# Altium PCB AUAV_X05.PcbDoc (part 2 of 5) (continued)
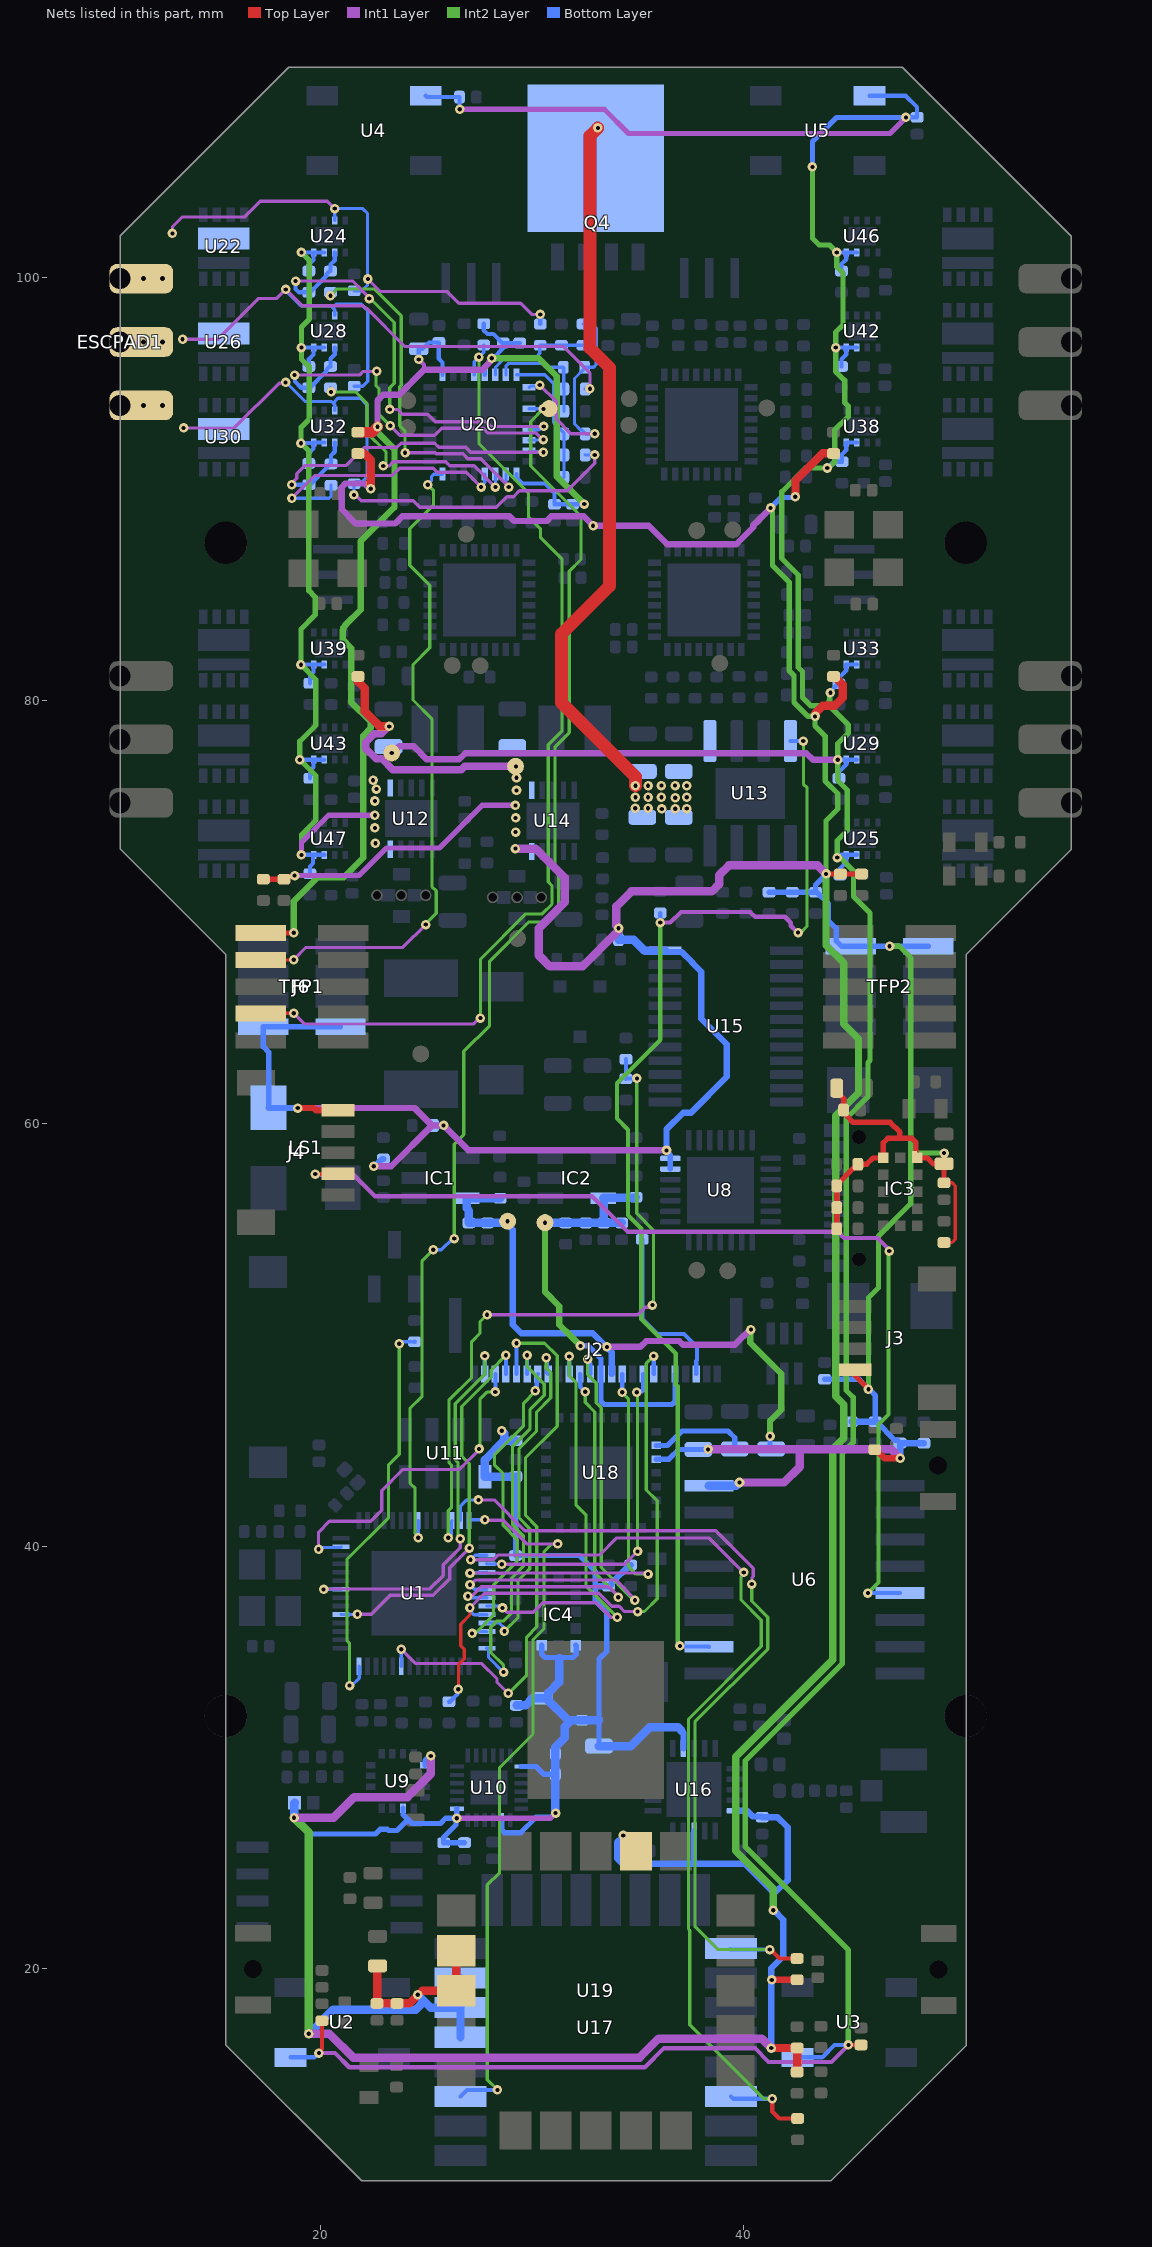
[diagram p4: the nets of this part, all layers, seen from the top]
## Nets (pads, with @x,y where several pads share a name; then routed paths per layer and width w, separated by ;. In a path a pad name is that pad's centre, name@x,y a point inside that pad or via, vN(x,y) a via of type N, cw(c..) or ccw(c..) an arc to the next point about the centre after c; other vN are vias at no path point) (continued)
  Int2 Layer w0.35: v1(41.425,22.775) 41.425,23.8 39.65,25.575 39.65,30.04 44.227,34.617 44.227,44.577 44.75,45.1 44.75,46.7 44.373,47.077 44.373,60.373 45.455,61.455 45.455,63.995 44.75,64.7 44.75,67.6 43.918,68.432 v1(43.918,71.8)
  Int2 Layer w0.4: v1(18.75,27.15) 19.45,26.45 v1(19.45,16.925)
  Bottom Layer w0.25: LS1.-@17.55,60.738 17.55,63.375 17.298,63.627 TFP1.4@17.298,64.568 TFP1.4@20.948,64.568 ; v1(18.75,27.15) 19.525,26.375 22.6,26.375 22.824,26.599 23.164,26.599 23.222,26.542 23.617,26.542 24.114,27.039 24.114,27.086 ; U9.2@23.904,27.6 23.904,27.296 24.114,27.086 ; U9.13@24.945,29.637 24.945,29.859 25.132,30.046 25.19,30.046 v1(25.219,30.075) ; U10.13@26.451,27.575 26.449,27.573 26.449,27.127 v1(26.446,27.125) v1@26.417,27.096 ; C26.P$1@26.815,25.973 26.81,25.969 25.84,25.969 C28.P$1@25.835,25.963 25.835,26.235 26.417,26.817 v1@26.417,27.096 ; U10.8@28.575,27.051 28.575,26.59 28.721,26.443 29.478,26.443 30.209,27.175 30.909,27.175 v1@31.115,27.381 ; C33.P$1@29.245,43.293 29.243,43.291 29.24,43.289 29.24,39.559 R61.P$1@29.235,39.553 32.247,39.553 33,38.8 33,38.1 33,37.4 33.55,36.85 33.55,35.025 33.175,34.65 33.175,31.775 C60.P$2@33.175,30.539 ; U10.1@29.499,29.575 30.2,29.575 30.572,29.204 C29.P$1@31.115,29.204 ; IC4.11@30.475,35.304 30.475,34.875 30.625,34.725 31.288,34.725 31.952,34.725 32.098,34.871 32.098,35.281 IC4.1@32.075,35.304 ; U18.3@35.879,44.113 36.488,44.113 36.949,44.575 C69.P$1@37.875,44.575 v1(38.341,44.575) ; v1@36.371,58.69 36.555,58.506 U8.7@36.555,58.338 U8.6@36.555,57.839 ; R45.P$1@41.225,70.938 R55.P$1@42.325,70.938 R48.P$1@43.425,70.938 ; v1(41.298,89.112) 41.768,89.582 41.853,89.582 41.873,89.603 42.428,89.603 v1(42.467,89.642) ; C21.P$2@43.85,47.888 45.487,47.888 46.25,47.125 R47.P$1@46.25,45.888 46.301,45.888 47.187,45.003 47.297,45.003 R50.P$1@47.425,44.875 ; v1(43.918,71.8) 43.918,71.765 43.425,71.272 R48.P$1@43.425,70.938 ; TFP2.1@48.748,68.378 v1(46.923,68.378) TFP2.1@45.098,68.378 44.656,68.378 44.4,68.634 44.4,69.225 44.025,69.6 44.025,70.39 43.476,70.938 R48.P$1@43.425,70.938 ; 24.114,27.086 24.325,26.875 25.675,26.875 25.925,27.125 26.389,27.125 v1@26.417,27.096
  Bottom Layer w0.3: LS1.-@17.55,60.738 17.564,60.725 v1(18.925,60.725) ; v1(22.525,57.975) 22.544,57.994 22.601,57.994 22.924,58.317 R54.P$2@22.975,58.317 ; R49.P$1@25.35,59.9 v1(25.825,59.9) ; 33,38.1 R65.P$1@33.625,38.1 33.676,38.1 33.78,38.204 33.78,38.264 34.624,39.108 R13.P$2@34.675,39.108 ; v1(34.328,26.31) 34.328,26.283 34.278,26.233 34.278,26.228 34.027,25.977 34.027,25.231 34.29,24.968 37.675,24.968 ; U15.24@36.305,68.163 36.36,68.108 37.098,68.108 37.593,67.613 37.593,67.593 38.019,67.167 38.019,64.956 39.225,63.75 39.225,62.2 37.531,60.506 37.156,60.506 36.371,59.721 v1(36.371,58.722) v1@36.371,58.69 ; 37.075,31.275 37.175,31.175 U16.7@37.175,30.425 ; U16.18@37.675,26.525 37.675,24.968 ; U16.15@39.625,27.475 40.18,27.475 40.445,27.21 40.865,27.21 C59.P$2@40.9,27.175 41.625,27.175 42.1,26.7 42.1,24.2 41.425,23.525 ; v1(41.325,16.25) 41.325,20.025 41.9,20.6 41.9,22.325 v1@41.438,22.787 ; v1(41.425,22.775) 41.425,23.625 40.082,24.968 37.675,24.968 ; R59.P$1@45.125,45.888 R47.P$1@46.25,45.888 ; v1(47.425,44.157) R50.P$1@47.425,44.875 47.429,44.871 48.546,44.871 R56.P$2@48.55,44.867
  Bottom Layer w0.4: v1(18.75,27.15) 18.763,27.163 18.763,27.841 FB1.1@18.775,27.854 ; v1(19.45,16.925) 20.6,18.075 24.512,18.075 24.906,18.469 ; v1(24.6,18.775) 24.906,18.469 ; U17.5@26.625,16.763 U17.6@26.625,18.163 ; U17.7@26.625,19.563 U17.6@26.625,18.163 ; v1(28.575,45.453) 28.688,45.34 28.688,44.983 ; C33.P$1@29.243,43.291 27.782,43.291 U11.1@27.78,43.288 27.78,44.075 28.688,44.983 ; C70.P$1@29.245,44.983 28.688,44.983 ; C58.P$2@29.275,32.464 29.706,32.464 30.043,32.8 C57.P$1@30.525,32.8 C57.P$1@30.677,32.8 ; v1(31.125,27.371) 31.115,27.381 C29.P$1@31.115,29.204 C27.P$1@31.115,30.174 31.115,30.49 31.55,30.925 31.55,31.45 31.707,31.607 ; 31.288,34.701 31.288,33.563 30.782,33.057 30.782,32.905 C57.P$1@30.677,32.8 ; C60.P$2@33.175,30.539 34.689,30.539 35.575,31.425 36.925,31.425 37.075,31.275 ; 33.175,31.775 33.163,31.764 R60.P$1@32.375,31.764 31.863,31.764 31.707,31.607 ; v1(34.104,69.225) 34.1,69.221 C56.P$2@34.1,68.688 34.812,68.688 35.337,68.163 U15.24@36.305,68.163 ; U6.16@38.379,42.858 39.674,42.858 v1(39.825,43.009) ; 24.906,18.469 25.211,18.163 U17.6@26.625,18.163 ; C57.P$1@30.677,32.8 31.707,31.771 31.707,31.607
  other v1: 29.232,73.779 29.232,74.447 29.275,75.75 29.275,76.35
5V: C2.P$1 C3.P$1 C7.P$2 C8.P$2 C41.P$1 R75.P$2 R76.P$2 R83.P$2 R84.P$2 R91.P$2 R92.P$2 R113.P$2 R114.P$2 R121.P$2 R122.P$2 R129.P$2 R131.P$2 TP3.1 U2.1 U3.1 U4.1 U5.1 U12.1 U12.10 U24.3 U24.4 U25.3 U25.4 U28.3 U28.4 U29.3 U29.4 U32.3 U32.4 U33.3 U33.4 U38.3 U38.4 U39.3 U39.4 U42.3 U42.4 U43.3 U43.4 U46.3 U46.4 U47.3 U47.4 | length 248.9
  Top Layer w0.2: v1(19.929,16.016) 19.929,16.07 20.075,16.216 C2.P$1@20.075,17.55 ; v1(44.975,16.4) C3.P$1@45.575,16.4
  Int1 Layer w0.2: v1(19.929,16.016) 20.694,16.016 21.363,15.348 35.348,15.348 36.248,16.248 40.552,16.248 41.2,15.6 44.175,15.6 v1(44.975,16.4)
  Int1 Layer w0.25: v1(19.1,72.7) 19.1,73.286 20.389,74.575 v1(22.575,74.575) ; v1(26.588,107.975) 33.425,107.975 34.575,106.825 46.937,106.825 v1(47.7,107.588)
  Int1 Layer w0.3: v1(23.375,77.525) 23.416,77.525 23.726,77.835 24.41,77.835 25.018,77.226 26.555,77.226 26.845,77.517 42.983,77.517 43.3,77.2 v1(44.475,77.2)
  Int2 Layer w0.25: v1(19.1,72.7) 19.1,73.65 19.775,74.325 19.775,76.45 v1(19.025,77.2) 19.025,78.075 19.775,78.825 19.775,81 v1(19.075,81.7) 19.075,83.375 19.75,84.05 19.75,84.9 19.45,85.2 19.45,91.8 v1(19.075,92.175) 19.075,92.925 19.475,93.325 19.475,95.775 19.1,96.15 v1(19.1,96.7) 19.1,97.675 19.475,98.05 19.475,100.825 v1(19.1,101.2) ; v1(43.275,105.25) 43.275,101.875 43.6,101.55 44.075,101.55 v1(44.425,101.2) 44.425,100.525 44.725,100.225 44.725,97.775 44.375,97.425 v1(44.375,96.7) 44.375,95.575 44.8,95.15 44.8,94.1 44.975,93.925 44.975,93.45 44.325,92.8 44.325,91.282 44.116,91.072 44.086,91.072 44.018,91.004 v1(43.977,91.004) 42.955,91.004 41.825,89.874 41.825,86.719 42.605,85.939 42.605,81.57 42.809,81.366 42.809,80.141 43.2,79.75 44.075,79.75 ; v1(44.128,80.37) 44.09,80.332 44.09,80.015 44.075,80 44.075,79.75 ; v1(44.453,72.573) 44.589,72.573 45.223,71.939 45.223,70.727 46,69.95 46,62.975 45.908,62.883 45.908,61.268 44.873,60.233 44.873,47.37 45.202,47.041 45.202,44.913 44.68,44.39 44.68,34.43 40.102,29.852 40.102,25.762 44.975,20.89 v1(44.975,16.4) ; v1@44.477,72.638 44.45,72.665 44.45,73.375 44.925,73.85 44.925,75.775 44.475,76.225 v1(44.475,77.2) 44.475,77.975 44.975,78.475 44.975,78.85 44.075,79.75
  Bottom Layer w0.2: U2.1@18.58,15.814 19.707,15.814 19.909,16.016 v1(19.929,16.016) ; v1(19.025,77.2) 19.027,77.202 19.673,77.202 U43.4@19.675,77.205 ; v1(19.075,81.7) 19.077,81.702 19.673,81.702 U39.4@19.675,81.705 ; v1(19.075,92.175) 19.09,92.19 19.66,92.19 U32.4@19.675,92.205 ; v1(19.1,72.7) 19.102,72.702 U47.4@19.673,72.702 ; v1(19.1,96.7) 19.102,96.702 19.673,96.702 U28.4@19.675,96.705 ; v1(19.1,101.2) 19.102,101.202 19.673,101.202 U24.4@19.675,101.205 ; R91.P$2@19.45,91.221 19.45,91.7 19.675,91.925 U32.4@19.675,92.205 ; R83.P$2@19.45,95.808 19.45,96.15 19.675,96.375 U28.4@19.675,96.705 ; R75.P$2@19.45,100.321 19.45,100.625 19.675,100.85 U24.4@19.675,101.205 ; R131.P$2@19.5,71.808 19.5,72.15 19.65,72.3 19.65,72.68 U47.4@19.673,72.702 ; R122.P$2@19.5,76.321 19.5,76.675 19.675,76.85 U43.4@19.675,77.205 ; R114.P$2@19.5,80.821 19.5,81.175 19.675,81.35 U39.4@19.675,81.705 ; U47.3@20.175,72.705 U47.4@19.675,72.705 U47.4@19.673,72.702 ; U43.3@20.175,77.205 U43.4@19.675,77.205 ; U39.3@20.175,81.705 U39.4@19.675,81.705 ; U32.3@20.175,92.205 U32.4@19.675,92.205 ; U28.3@20.175,96.705 U28.4@19.675,96.705 ; U24.3@20.175,101.205 U24.4@19.675,101.205 ; U4.1@24.98,108.614 25.044,108.55 C7.P$2@26.575,108.55 26.582,108.543 26.582,107.981 v1(26.588,107.975) ; U3.1@42.57,15.814 43.739,15.814 44.325,16.4 v1(44.975,16.4) ; v1(43.977,91.004) 44.27,91.297 R113.P$2@44.675,91.297 44.675,91.65 44.875,91.85 U38.4@44.875,92.205 U38.3@45.375,92.205 ; v1(44.128,80.37) 44.128,80.436 44.489,80.797 R92.P$2@44.525,80.797 44.525,81.075 44.875,81.425 U33.4@44.875,81.705 U33.3@45.375,81.705 ; v1(44.375,96.7) 44.377,96.702 44.873,96.702 U42.4@44.875,96.705 ; v1(44.425,101.2) 44.427,101.202 44.873,101.202 U46.4@44.875,101.205 ; v1(44.453,72.573) 44.507,72.573 44.641,72.707 44.848,72.707 44.85,72.705 U25.4@44.875,72.705 ; v1(44.475,77.2) 44.477,77.202 U29.4@44.875,77.204 U29.4@44.875,77.204 ; R84.P$2@44.525,76.321 44.525,76.625 44.875,76.975 U29.4@44.875,77.204 ; R76.P$2@44.575,71.747 44.575,72.05 44.875,72.35 U25.4@44.875,72.705 ; R121.P$2@44.65,95.808 44.65,96.15 44.875,96.375 U42.4@44.875,96.705 ; R129.P$2@44.65,100.321 44.65,100.65 44.875,100.875 U46.4@44.875,101.205 ; U25.3@45.375,72.705 U25.4@44.875,72.705 ; U29.3@45.375,77.204 U29.4@44.875,77.204 ; U42.3@45.375,96.705 U42.4@44.875,96.705 ; U46.3@45.375,101.205 U46.4@44.875,101.205 ; U5.1@45.97,108.614 47.686,108.614 48.225,108.075 C8.P$2@48.225,107.6 48.219,107.594 47.706,107.594 v1(47.7,107.588)
  Bottom Layer w0.25: v1(43.275,105.25) 43.275,106.45 44.413,107.588 v1(47.7,107.588)
  other v1: 22.6,73.25 22.575,73.975 22.575,75.25 22.65,75.812 22.492,76.234
AGND: J2.22 R40.P$1 | length 8.2
  Bottom Layer w0.2: R40.P$1@35.225,54.514 35.225,50.751 35.948,50.028 37.197,50.028 37.813,49.412 37.813,48.791 37.775,48.752 J2.22@37.775,48.138
BAT_ADC: R30.P$1 R31.P$2 U1.12 | length 32.8
  Int1 Layer w0.153: v1(27.885,50.945) 35.007,50.945 35.368,51.305 35.613,51.305 35.703,51.395 v1(35.703,51.401)
  Int2 Layer w0.153: v1(26.047,40.397) 26.047,41.669 26.198,41.82 26.198,43.838 26.076,43.96 26.076,46.901 27.15,47.975 27.15,49.675 27.549,50.074 27.549,50.609 v1(27.885,50.945) ; v1(34.975,62.125) 34.962,62.112 34.962,55.738 35.75,54.95 35.75,51.448 v1(35.703,51.401)
  Bottom Layer w0.153: v1(26.047,40.397) 26.206,40.556 26.206,41.189 U1.12@26.225,41.209
  Bottom Layer w0.2: R31.P$2@34.45,63.03 R30.P$1@34.45,62.113 34.456,62.119 34.969,62.119 v1(34.975,62.125)
BAT_RAW: B1.2 C35.P$2 C36.P$2 C37.P$1 C38.P$1 Q4.5_8 U13.5 | length 34.1
  Top Layer w0.6: v1(33.125,107.092) 32.75,106.717 32.75,96.675 33.675,95.75 33.675,85.425 31.4,83.15 31.4,79.9 34.903,76.397 v1(34.903,75.972)
  other v1: 36.15,74.875 36.784,74.887 37.328,74.89 34.889,74.906 35.502,74.905 34.9,75.425 35.5,75.425 36.128,75.423 36.78,75.406 37.325,75.425 35.5,75.975 36.13,75.977 36.776,75.981 37.325,75.975
BUZZER: R20.P$1 U1.42 | length 19.2
  Int2 Layer w0.153: v1(21.379,33.405) 21.379,35.39 21.255,35.513 21.255,39.38 23.225,41.35 23.225,43.843 23.725,44.343 v1(23.725,49.575)
  Bottom Layer w0.153: v1(21.379,33.405) 21.486,33.405 21.838,33.757 21.838,34.306 U1.42@21.825,34.318 ; v1(23.725,49.575) 23.792,49.575 23.88,49.663 R20.P$1@24.45,49.663
  Bottom Layer w0.2: R20.P$1@24.45,49.663 R20.P$1@24.456,49.669
CAM_HREF: J2.15 U1.19 | length 19.6
  Int1 Layer w0.153: v1(27.075,38.725) 28.39,38.725 28.397,38.717 28.753,38.717 28.76,38.725 35.383,38.725 35.433,38.675 v1(35.5,38.675)
  Int2 Layer w0.153: v1(34.275,47.275) 34.275,47.241 34.575,46.941 34.575,39.025 34.925,38.675 v1(35.5,38.675)
  Bottom Layer w0.153: v1(27.075,38.725) 27.094,38.744 27.851,38.744 U1.19@27.87,38.763
  Bottom Layer w0.2: v1(34.275,47.275) J2.15@34.275,48.138
CAM_LED: J4.4 U6.5 | length 47.9
  Top Layer w0.2: v1(19.75,57.6) 20.812,57.6 J4.4@20.825,57.613
  Int1 Layer w0.2: v1(19.75,57.6) 19.777,57.573 21.552,57.573 22.575,56.55 32.85,56.55 34.525,54.875 44.475,54.875 44.775,54.575 46.35,54.575 46.875,54.05 46.875,53.998 v1(46.913,53.96)
  Int2 Layer w0.2: v1(45.9,37.775) 46.4,38.275 46.4,45.75 46.875,46.225 46.875,53.922 v1(46.913,53.96)
  Bottom Layer w0.2: v1(45.9,37.775) 45.902,37.777 47.42,37.777 U6.5@47.421,37.778
CAM_PCLK: J2.7 U1.26 | length 15.3
  Int2 Layer w0.153: v1(27.17,35.866) 27.217,35.913 27.372,35.913 28.184,36.725 28.184,38.148 29.296,39.26 29.296,40.322 28.64,40.977 28.64,43.435 28.231,43.844 28.231,44.311 29.611,45.69 29.611,46.767 30.16,47.316 v1(30.16,47.353)
  Bottom Layer w0.153: v1(27.17,35.866) 27.237,35.866 27.328,35.957 27.864,35.957 U1.26@27.87,35.963
  Bottom Layer w0.2: v1(30.16,47.353) 30.235,47.429 30.235,48.098 J2.7@30.275,48.138
CAM_RST: J2.18 R14.P$2 U1.24 | length 28.5
  Top Layer w0.153: v1(26.523,33.224) 26.536,33.237 26.536,34.411 26.8,34.675 26.8,35.125 26.632,35.293 26.632,36.307 27.074,36.749 v1(27.074,37.086)
  Int1 Layer w0.153: v1(27.074,37.086) 27.762,37.774 33.161,37.774 33.782,37.153 34.128,37.153 34.376,36.905 v1(35,36.905)
  Int2 Layer w0.153: v1(35,36.905) 35.33,36.905 35.929,37.504 35.929,42.146 35.419,42.656 35.419,48.644 v1(35.762,48.987)
  Bottom Layer w0.153: v1(27.074,37.086) 27.13,37.029 27.13,36.887 27.261,36.757 27.864,36.757 U1.24@27.87,36.763
  Bottom Layer w0.2: R14.P$2@26.075,32.637 26.126,32.637 26.484,32.995 26.484,33.186 v1(26.523,33.224) ; v1(35.762,48.987) 35.769,48.981 35.769,48.145 J2.18@35.775,48.138
CAM_VSYNC: J2.17 U1.18 | length 16
  Int1 Layer w0.153: v1(28.575,39.146) 34.396,39.146 35,39.75 v1(35.004,39.75)
  Int2 Layer w0.153: v1(34.965,47.275) 35,47.24 35,39.754 v1(35.004,39.75)
  Bottom Layer w0.153: U1.18@27.87,39.163 27.877,39.157 28.564,39.157 v1(28.575,39.146)
  Bottom Layer w0.2: v1(34.965,47.275) 35.013,47.323 35.206,47.323 35.275,47.392 J2.17@35.275,48.138
CAM_XCLK: J2.11 U1.22 | length 19.8
  Int1 Layer w0.153: v1(26.976,37.629) 27.001,37.603 27.128,37.603 27.605,38.08 33.633,38.08 34.087,37.626 v1(34.087,37.582)
  Int2 Layer w0.153: v1(32.523,47.3) 32.523,46.802 32.981,46.343 32.981,38.731 34.087,37.626 v1(34.087,37.582)
  Bottom Layer w0.153: v1(26.976,37.629) 27.009,37.629 27.082,37.557 27.864,37.557 U1.22@27.87,37.563
  Bottom Layer w0.2: J2.11@32.275,48.138 32.288,48.126 32.288,47.535 v1(32.523,47.3)
CAM_Y2: J2.5 U1.37 | length 27.8
  Int1 Layer w0.153: v1(23.825,35.125) 24.507,34.443 27.628,34.443 28.352,33.719 28.352,33.556 28.872,33.036 v1(28.887,33.036)
  Int2 Layer w0.153: v1(28.887,33.036) 28.901,33.036 29.75,33.884 29.75,35.693 30.236,36.179 30.236,40.926 29.7,41.462 29.7,44.18 31.199,45.679 31.199,49.001 30.6,49.6 29.276,49.6 v1(29.271,49.595)
  Bottom Layer w0.153: U1.37@23.825,34.318 v1(23.825,35.125)
  Bottom Layer w0.2: v1(29.271,49.595) 29.273,49.593 29.273,48.141 J2.5@29.275,48.138
CAM_Y3: J2.3 U1.55 | length 15.8
  Int1 Layer w0.153: v1(19.911,39.849) 19.911,40.661 20.423,41.173 20.526,41.173 20.529,41.175 22.375,41.175 22.9,41.7 22.9,42.625 23.9,43.625 26.575,43.625 27.506,44.556 v1(27.506,44.595)
  Int2 Layer w0.153: v1(27.506,44.595) 27.545,44.634 27.545,46.941 27.897,47.294 v1(28.274,47.294)
  Bottom Layer w0.153: v1(19.911,39.849) 19.977,39.849 20.063,39.935 20.951,39.935 U1.55@20.98,39.963
  Bottom Layer w0.2: v1(28.274,47.294) 28.274,47.424 28.275,47.425 J2.3@28.275,48.138
CAM_Y4: J2.2 U1.50 | length 19
  Int1 Layer w0.153: v1(20.15,37.951) 20.174,37.975 25.18,37.975 25.811,38.606 25.811,39.117 26.615,39.922 v1(26.615,40.35)
  Int2 Layer w0.153: v1(26.615,40.35) 26.615,40.427 26.504,40.538 26.504,43.965 26.381,44.087 26.381,46.732 27.775,48.125 v1(27.775,49)
  Bottom Layer w0.153: v1(20.15,37.951) 20.156,37.957 20.974,37.957 U1.50@20.98,37.963
  Bottom Layer w0.2: J2.2@27.775,48.138 v1(27.775,49)
CAM_Y5: J2.4 U1.47 | length 18.7
  Int1 Layer w0.153: v1(21.75,36.775) 22.411,36.775 23.306,37.67 25.326,37.67 26.116,38.46 26.116,38.977 26.739,39.6 v1(27.047,39.907)
  Int2 Layer w0.153: v1(27.047,39.907) 27.044,39.91 27.044,43.896 26.687,44.253 26.687,46.605 28.08,47.999 28.08,48.33 v1(28.775,49.025)
  Bottom Layer w0.153: U1.47@20.98,36.763 20.986,36.769 21.744,36.769 v1(21.75,36.775)
  Bottom Layer w0.2: J2.4@28.775,48.138 v1(28.775,49.025)
CAM_Y6: J2.6 U1.28 | length 19.6
  Int2 Layer w0.153: v1(28.665,34.04) 28.665,34.356 28.054,34.967 28.054,36.163 28.345,36.455 28.655,36.455 29.042,36.842 29.042,38.492 29.601,39.051 29.601,40.489 29.089,41.001 29.089,44.732 29.916,45.559 29.916,46.466 30.588,47.138 30.588,47.662 29.775,48.475 v1(29.775,49.025)
  Bottom Layer w0.153: U1.28@27.87,35.163 27.915,35.163 27.949,35.13 27.949,34.736 28.645,34.04 v1(28.665,34.04)
  Bottom Layer w0.2: J2.6@29.775,48.139 v1(29.775,49.025)
CAM_Y7: J2.8 U1.25 | length 16.3
  Int2 Layer w0.153: v1(28.701,35.968) 29.346,36.613 29.346,36.771 29.347,36.772 29.347,38.365 29.907,38.925 29.907,40.823 29.395,41.335 29.395,44.606 30.221,45.433 30.221,46.339 30.894,47.012 30.894,48.213 30.684,48.423 v1(30.684,48.909)
  Bottom Layer w0.153: U1.25@27.87,36.363 28.468,36.363 28.719,36.113 28.719,35.986 v1(28.701,35.968)
  Bottom Layer w0.2: v1(30.684,48.909) 30.722,48.871 30.722,48.191 J2.8@30.775,48.138
CAM_Y8: J2.10 U1.23 | length 20.9
  Int1 Layer w0.153: v1(28.613,37.076) 28.82,36.869 30.069,36.869 30.521,37.321 33.037,37.321 33.727,36.63 v1(34.044,36.63)
  Int2 Layer w0.153: v1(31.775,48.975) 31.775,48.05 32.094,47.731 32.094,41.931 32.566,41.459 32.566,38.109 v1(34.044,36.63)
  Bottom Layer w0.153: U1.23@27.87,37.163 28.459,37.163 28.546,37.076 v1(28.613,37.076)
  Bottom Layer w0.2: J2.10@31.775,48.138 v1(31.775,48.975)
CAM_Y9: J2.12 U1.21 | length 22.3
  Int1 Layer w0.153: v1(27.075,38.173) 27.129,38.173 27.357,38.4 33.961,38.4 34.878,37.483 v1(34.878,37.444)
  Int2 Layer w0.153: v1(32.637,48.837) 32.637,48.117 33.05,47.704 33.05,46.775 33.287,46.538 33.287,38.988 34.831,37.444 v1(34.878,37.444)
  Bottom Layer w0.153: v1(27.075,38.173) 27.284,37.963 U1.21@27.87,37.963
  Bottom Layer w0.2: v1(32.637,48.837) 32.637,48.783 32.775,48.646 J2.12@32.775,48.138
CHARG_EN: R2.P$1 U6.10 U13.8 | length 55.3
  Int1 Layer w0.2: v1(36.075,69.496) 36.55,69.496 37.054,70 40.328,70 40.553,69.775 41.964,69.775 42.249,69.491 42.249,69.349 42.571,69.027 v1(42.596,69.027)
  Int2 Layer w0.153: v1(42.596,69.027) 42.713,69.027 43.023,69.337 43.023,75.877 42.85,76.05 42.85,78.075 v1(42.837,78.087)
  Int2 Layer w0.2: v1(36.075,69.496) 36.075,63.95 34.025,61.9 34.025,60.225 34.55,59.7 34.55,55.65 35.175,55.025 35.175,50.748 36.81,49.113 36.81,47.651 36.9,47.561 36.9,35.438 37.009,35.329 v1(37.009,35.275)
  Bottom Layer w0.2: v1(36.075,69.496) R2.P$1@36.075,69.95 ; v1(37.009,35.275) 37.027,35.257 38.361,35.257 U6.10@38.379,35.238 ; U13.8@42.235,78.089 42.236,78.087 v1(42.837,78.087)
DWM_CS: R63.P$1 U1.13 U17.17 | length 42.1
  Top Layer w0.2: v1(41.261,20.911) 41.289,20.911 41.712,20.488 R63.P$1@42.55,20.488
  Int1 Layer w0.153: v1(27.473,42.184) 28.216,42.184 29.675,40.725 38.7,40.725 40.479,38.945 40.479,38.569 40.415,38.505 40.415,38.217 v1(40.401,38.203)
  Int2 Layer w0.153: v1(40.401,38.203) 40.401,37.404 41.161,36.643 41.161,35.129 37.717,31.685 37.717,22.008 38.814,20.911 v1(41.261,20.911)
  Bottom Layer w0.153: U1.13@26.625,41.209 26.625,41.885 26.715,41.975 26.924,42.184 v1(27.473,42.184)
  Bottom Layer w0.2: U17.17@39.387,20.925 39.401,20.911 v1(41.261,20.911)
DWM_IRQ: R64.P$2 U1.17 U17.22 | length 47.5
  Top Layer w0.2: v1(41.375,13.85) 41.375,13.25 41.703,12.922 R64.P$2@42.575,12.922
  Int1 Layer w0.153: v1(27.105,39.358) 28.18,39.358 28.397,39.575 33.2,39.575 34.011,40.386 38.364,40.386 39.993,38.757 v1(40.026,38.757)
  Int2 Layer w0.153: v1(40.026,38.757) 40.026,38.677 39.9,38.551 39.9,37.45 40.856,36.494 40.856,35.255 37.412,31.811 37.412,21.881 37.475,21.818 37.475,17.35 40.975,13.85 v1(41.375,13.85)
  Bottom Layer w0.153: v1(27.105,39.358) 27.316,39.569 27.865,39.569 U1.17@27.87,39.563
  Bottom Layer w0.2: U17.22@39.425,13.964 39.539,13.85 v1(41.375,13.85)
DWM_RSTN: U1.14 U17.3 | length 34.1
  Int1 Layer w0.153: v1(27.779,41.243) 27.796,41.225 28.646,41.225 29.773,40.097 31.219,40.097 v1(31.221,40.1)
  Int2 Layer w0.153: v1(28.375,14.275) 27.896,14.754 27.896,23.971 28.475,24.55 28.475,29.525 30.055,31.105 30.055,35.567 30.575,36.087 30.575,39.742 30.933,40.1 v1(31.221,40.1)
  Bottom Layer w0.153: U1.14@27.025,41.209 27.059,41.243 v1(27.779,41.243)
  Bottom Layer w0.2: U17.3@26.625,13.964 26.937,14.275 v1(28.375,14.275)
ESC1_3V3: C81.P$1 C82.P$1 C83.P$1 C84.P$1 C85.P$1 C86.P$1 J6.1 R73.P$2 R81.P$1 U20.1 U20.5 U20.17 | length 60.3
  Top Layer w0.25: J6.1@17.175,69.003 18.723,69.003 v1(18.734,69.015)
  Top Layer w0.5: R81.P$1@21.775,92.7 22.45,92.7 v1(22.7,92.95)
  Int1 Layer w0.2: v1(24.65,96.14) 24.9,95.89 24.9,95.65
  Int1 Layer w0.3: v1(22.7,92.95) 22.7,94.2 22.975,94.475 23.725,94.475 24.9,95.65 27.65,95.65 28.003,96.003 28.003,96.066 28.105,96.168 v1(28.105,96.195)
  Int2 Layer w0.3: v1(18.734,69.015) 18.734,70.509 19.875,71.65 21.1,71.65 22.017,72.567 22.017,78.343 22.375,78.701 22.375,79.002 21.464,79.913 21.464,82.474 21.05,82.888 21.05,83.325 21.079,83.354 21.079,83.439 21.176,83.537 21.176,83.576 21.9,84.3 21.9,87.55 23.5,89.15 23.5,91.9 22.719,92.681 22.719,92.931 v1(22.7,92.95) ; v1(28.105,96.195) 30.33,96.195 31.175,95.35 31.175,90.6 v1(32.475,89.3)
  Bottom Layer w0.2: v1(24.65,96.14) C81.P$1@24.65,96.644 ; C81.P$1@24.65,96.644 24.831,96.644 25.131,96.944 C82.P$1@25.6,96.944 25.6,96.175 25.775,96 U20.1@25.775,95.413 ; R73.P$2@27.725,97.827 27.725,97.517 27.903,97.34 28.179,97.34 28.599,96.919 C83.P$1@28.65,96.919 ; U20.5@27.775,95.413 27.775,95.8 v1@28.138,96.163 ; v1(28.105,96.195) 28.143,96.234 28.209,96.234 28.65,96.675 C83.P$1@28.65,96.919 ; U20.17@29.276,90.713 29.276,90.561 29.562,90.275 30.625,90.275 31.075,89.825 C86.P$1@31.075,89.288 C85.P$1@31.925,89.288 31.931,89.294 32.469,89.294 v1(32.475,89.3) ; C84.P$1@29.425,96.919 C83.P$1@28.65,96.919
ESC1_COM: R98.P$1 R99.P$1 R102.P$1 U20.9 | length 11.7
  Int1 Layer w0.153: v1(30.38,94.925) 31.15,94.155 31.15,93.325 31.85,92.625 v1(32.979,92.625)
  Bottom Layer w0.153: U20.9@29.875,94.814 29.939,94.878 30.333,94.878 v1(30.38,94.925) ; R98.P$1@32.425,97.813 32.862,97.813 33.05,97.625 33.05,95.9 32.919,95.769 R99.P$1@32.5,95.769 32.5,95.719 32.019,95.237 32.019,93.09 32.293,92.817 32.352,92.817 32.525,92.643 R102.P$1@32.525,92.619 32.528,92.622 32.976,92.622 v1(32.979,92.625)
ESC1_HIPWM1: R79.P$1 U20.18 | length 17
  Int1 Layer w0.153: v1(24.002,91.725) 25.417,91.725 25.467,91.675 26.745,91.675 26.975,91.445 27.583,91.445 28.907,90.121 v1(28.907,90.099)
  Int2 Layer w0.153: v1(20.475,99.15) 20.8,99.475 22.55,99.475 23.825,98.2 23.825,94.922 23.75,94.847 23.75,92.993 24.002,92.741 v1(24.002,91.725)
  Bottom Layer w0.153: R79.P$1@20.475,99.15 R79.P$1@20.475,99.313 ; U20.18@28.776,90.713 28.776,90.287 28.907,90.156 v1(28.907,90.099)
ESC1_HIPWM2: R85.P$1 U20.19 | length 12
  Int1 Layer w0.153: v1(22.973,91.104) 22.976,91.1 23.25,91.1 23.446,91.296 25.929,91.296 26.12,91.105 27.27,91.105 v1(28.275,90.1)
  Int2 Layer w0.153: v1(20.5,94.6) 21.675,94.6 22.2,94.075 22.2,92.664 23.103,91.761 23.103,91.272 22.973,91.142 v1(22.973,91.104)
  Bottom Layer w0.153: R85.P$1@20.475,94.8 20.5,94.775 v1(20.5,94.6) ; v1@28.275,90.1 U20.19@28.275,90.713
ESC1_HIPWM3: R95.P$1 U20.20 | length 13
  Int1 Layer w0.153: v1(18.65,89.575) 19.725,90.65 23.407,90.65 23.747,90.991 25.341,90.991 25.532,90.8 26.9,90.8 v1(27.6,90.1)
  Bottom Layer w0.153: v1(18.65,89.575) 20.4,89.575 20.5,89.675 R95.P$1@20.5,90.189 ; v1(27.6,90.1) 27.6,90.14 27.775,90.316 U20.20@27.775,90.713
ESC1_LOPWM1: R75.P$1 R79.P$2 U20.13 U24.2 | length 21.6
  Int1 Layer w0.153: v1(18.825,99.85) 21.525,99.85 22.31,99.065 v1(22.31,99.021) ; v1(23.275,93.775) 23.65,93.775 23.875,93.55 25.075,93.55 25.431,93.194 27.834,93.194 28.064,92.963 30.558,92.963 v1(30.563,92.968)
  Int2 Layer w0.153: v1(22.31,99.021) 22.354,99.021 23.487,97.888 23.487,95.016 23.275,94.804 v1(23.275,93.775)
  Bottom Layer w0.153: U20.13@29.875,92.813 30.343,92.813 30.497,92.968 v1(30.563,92.968)
  Bottom Layer w0.2: v1(18.825,99.85) 18.825,99.475 18.986,99.313 R75.P$1@19.45,99.313 19.501,99.313 20.287,100.1 20.287,100.17 20.439,100.321 R79.P$2@20.475,100.321 20.475,100.625 20.675,100.825 U24.2@20.675,101.205
ESC1_LOPWM2: R83.P$1 R85.P$2 U20.14 U28.2 | length 18.9
  Int1 Layer w0.153: v1(18.775,95.4) 21.85,95.4 22.025,95.575 22.658,95.575 v1(22.666,95.583) ; v1(23.3,93.007) 23.757,92.55 25.4,92.55 25.738,92.888 27.707,92.888 27.937,92.658 30.215,92.658 30.523,92.35 v1(30.55,92.35)
  Int2 Layer w0.153: v1(22.666,95.583) 22.629,95.546 22.629,94.888 22.775,94.742 22.775,93.532 v1(23.3,93.007)
  Bottom Layer w0.153: U20.14@29.875,92.313 29.894,92.332 30.532,92.332 v1(30.55,92.35)
  Bottom Layer w0.2: v1(18.775,95.4) 18.8,95.375 18.8,95.094 19.094,94.8 R83.P$1@19.45,94.8 19.501,94.8 20.287,95.586 20.287,95.656 20.439,95.808 R85.P$2@20.475,95.808 20.475,96.175 20.675,96.375 U28.2@20.675,96.705
ESC1_LOPWM3: R91.P$1 R95.P$2 U20.15 U32.2 | length 17.1
  Int1 Layer w0.153: v1(18.642,90.208) 18.642,90.289 18.875,90.523 18.875,90.725 19.275,91.125 21.225,91.125 22.075,91.975 23.225,91.975 23.23,91.98 23.616,91.98 23.814,92.179 25.395,92.179 25.594,91.98 26.871,91.98 27.102,91.75 v1(30.55,91.75)
  Bottom Layer w0.153: U20.15@29.875,91.813 29.907,91.782 30.518,91.782 v1(30.55,91.75)
  Bottom Layer w0.2: v1(18.642,90.208) 18.644,90.211 19.448,90.211 R91.P$1@19.45,90.214 19.501,90.214 20.312,91.025 20.312,91.045 20.464,91.197 R95.P$2@20.5,91.197 20.5,91.6 20.675,91.775 U32.2@20.675,92.205
ESC1_MOUT1: R87.P$2 R97.P$2 R98.P$2 U20.6 | length 5.1
  Bottom Layer w0.153: U20.6@28.275,95.413 28.275,95.759 28.771,96.255 30.205,96.255 30.375,96.425 30.375,96.78 R87.P$2@30.4,96.805 R97.P$2@31.4,96.805 R98.P$2@32.425,96.805
ESC1_MOUT2: R89.P$2 R99.P$2 R100.P$2 U20.7 | length 5.3
  Bottom Layer w0.153: U20.7@28.776,95.413 28.776,95.826 28.9,95.95 30.475,95.95 30.656,95.769 R99.P$2@31.492,95.769 31.505,95.757 31.505,94.751 R89.P$2@31.517,94.738 R100.P$2@31.517,93.688
ESC1_MOUT3: R93.P$2 R101.P$2 R102.P$2 U20.8 | length 6.6
  Bottom Layer w0.153: U20.8@29.276,95.413 30.612,95.413 31.034,94.991 31.034,93.153 31.517,92.67 R93.P$2@31.517,91.619 R101.P$2@31.517,90.563
ESC1_OUT1: C79.P$2 ESCPAD1.1 R87.P$1 U22.9 U24.7 | length 24.3
  Int1 Layer w0.153: v1(13,102.1) 13,102.425 13.45,102.875 16.4,102.875 17.15,103.625 20.325,103.625 v1(20.675,103.275) ; v1(22.243,99.945) 22.84,99.349 26.001,99.349 26.55,98.8 29.467,98.8 29.999,98.267 v1(30.4,98.267)
  Bottom Layer w0.153: U24.7@20.675,102.722 v1(20.675,103.275) 22,103.275 22.225,103.05 22.225,99.65 21.963,99.389 C79.P$2@21.6,99.389
  Bottom Layer w0.2: R87.P$1@30.4,97.813 v1(30.4,98.267)
  other v2: 11.625,99.964 12.525,99.964
ESC1_OUT2: C93.P$2 ESCPAD1.2 R89.P$1 U26.9 U28.7 | length 31.8
  Int1 Layer w0.153: v1(13.475,97.1) 15.15,97.1 17.075,99.025 17.929,99.025 v1(18.355,99.451) 19.131,98.675 22.015,98.675 22.122,98.567 22.183,98.567 24,96.75 31.5,96.75 32.75,95.5 v1(32.75,94.75)
  Bottom Layer w0.153: v1(18.355,99.451) 18.355,99.396 19.077,98.675 20.5,98.675 20.588,98.587 ; U28.7@20.675,98.222 20.675,98.5 20.588,98.587 ; C93.P$2@21.6,94.875 22.011,94.875 22.237,95.101 22.237,98.438 21.925,98.75 20.75,98.75 20.588,98.587 ; R89.P$1@32.525,94.738 32.537,94.75 v1(32.75,94.75)
  other v2: 11.625,96.964 12.525,96.964
ESC1_OUT3: C95.P$2 ESCPAD1.3 R93.P$1 U30.9 U32.7 | length 28.6
  Int1 Layer w0.153: v1(13.525,92.9) 15.927,92.9 18.044,95.017 18.315,95.017 v1(18.348,95.05) ; v1(21.586,89.729) 21.643,89.729 21.921,89.45 24.399,89.45 24.699,89.15 28.325,89.15 28.82,89.645 29.131,89.645 29.411,89.925 31.675,89.925 32.979,91.229 v1(32.979,91.625)
  Bottom Layer w0.153: v1(18.348,95.05) 18.379,95.05 19.279,94.15 20.525,94.15 20.6,94.075 ; U32.7@20.675,93.722 20.675,94 20.6,94.075 ; v1(21.586,89.729) 21.593,89.736 21.593,90.256 21.693,90.357 21.982,90.357 22.2,90.575 22.2,94 21.9,94.3 20.825,94.3 20.6,94.075 ; R93.P$1@32.525,91.619 32.528,91.622 32.976,91.622 v1(32.979,91.625)
  other v2: 11.625,93.964 12.525,93.964
ESC1_PWM: TP10.1 U1.8 U20.11 | length 60.5
  Int2 Layer w0.153: v1(24.625,40.4) 24.625,40.465 24.477,40.613 24.477,42.741 24.236,42.983 24.236,46.517 24.81,47.092 24.81,53.494 v1(25.342,54.025) ; v1(26.325,54.55) 26.325,59.018 26.776,59.469 26.776,63.401 28,64.625 28,67.675 29.85,69.525 30.63,69.525 31.275,70.17 31.275,71.75 31.1,71.925 31.1,77.811 31.775,78.486 31.775,86.125 32.325,86.675 32.325,88.725 29.95,91.1 29.95,93.204 v1(30.546,93.8)
  Bottom Layer w0.153: v1(24.625,40.4) U1.8@24.625,41.209 ; v1(25.342,54.025) 25.725,54.025 26.25,54.55 v1(26.325,54.55) ; U20.11@29.875,93.814 29.882,93.807 30.539,93.807 v1(30.546,93.8)
ESC1_STM_NRST: J6.7 R73.P$1 U20.4 | length 47.4
  Top Layer w0.153: J6.7@17.175,65.193 17.185,65.203 v1(18.736,65.203)
  Int1 Layer w0.153: v1(18.736,65.203) 19.235,64.704 27.26,64.704 27.534,64.978 v1(27.571,64.978)
  Int2 Layer w0.153: v1(27.5,96.25) 27.5,92.148 29.849,89.8 29.849,88.676 30.413,88.112 30.413,87.699 31.43,86.681 31.43,78.574 30.775,77.918 30.775,71.425 30.954,71.246 30.954,70.372 30.49,69.907 29.707,69.907 27.575,67.775 27.575,65.104 27.571,65.1 v1(27.571,64.978)
  Bottom Layer w0.153: U20.4@27.275,95.413 27.275,96.025 v1(27.5,96.25) 27.725,96.475 R73.P$1@27.725,96.819
ESC1_STM_SWCLK: J6.3 U20.24 | length 32.3
  Top Layer w0.153: J6.3@17.175,67.733 18.726,67.733 v1(18.736,67.743)
  Int1 Layer w0.153: v1(18.736,67.743) 19.317,68.325 23.903,68.325 v1(24.982,69.404)
  Int2 Layer w0.153: v1(24.982,69.404) 24.982,69.441 25.479,69.939 25.479,70.997 25.275,71.201 25.275,79.132 24.378,80.029 24.378,81.703 25.175,82.5 25.175,85.45 24.225,86.4 24.225,88.132 25.354,89.261 25.354,89.926 v1(25.073,90.207)
  Bottom Layer w0.153: v1(25.073,90.207) 25.073,90.233 25.255,90.416 25.255,90.605 25.363,90.713 U20.24@25.775,90.713

## Text inside footprints (layer, text, board x,y; h text height)
U33: tFinish "Default Padstyle: RX15Y10D0T" at 36.494,82.464 h0.79 r270; tFinish "Heat Tab Padstyle: RX34Y51D0T" at 34.97,82.464 h0.79 r270; tFinish "Alt 1 Padstyle: OX60Y90D30P" at 31.922,82.464 h0.79 r270; tFinish "Alt 2 Padstyle: OX90Y60D30P" at 30.398,82.464 h0.79 r270; tFinish "0.079in/2mm" at 53.233,82.464 h0.4 r270; tFinish "0.019in/0.483mm" at 49.423,81.705 h0.4 r270; tFinish "0.02in/0.5mm" at 46.125,78.657 h0.4 r270; tFinish "0.079in/2.007mm" at 45.625,86.271 h0.4 r270; tFinish "0.079in/2.007mm" at 41.574,82.464 h0.4 r270
U34: tFinish "0.201in/5.105mm" at 44.213,93.063 h0.4 r90; tFinish "0.201in/5.105mm" at 38.025,99.401 h0.4 r90; tFinish "0.185in/4.7mm" at 38.025,85.456 h0.4 r90; tFinish "0.185in/4.7mm" at 30.567,93.063 h0.4 r90; tFinish "0.02in/0.5mm" at 36.525,87.361 h0.4 r90; tFinish "Alt 2 Padstyle: OX90Y60D30P" at 51.706,93.064 h0.79 r90; tFinish "Alt 1 Padstyle: OX60Y90D30P" at 50.182,93.064 h0.79 r90; tFinish "Heat Tab Padstyle: RX136Y136D0T" at 47.134,93.064 h0.79 r90; tFinish "Default Padstyle: RX12Y24D0T" at 45.61,93.064 h0.79 r90; Dimension "*" at 36.025,94.855 h0.79 r90; Bottom Overlay "*" at 35.644,96.353 h0.79 r90
U35: tFinish "Default Padstyle: RX27Y16D0T" at 40.948,92.464 h0.79 r270; tFinish "Heat Tab Padstyle: RX22Y96D0T" at 42.218,92.464 h0.79 r270; tFinish "Heat Tab Padstyle 2: RX22Y96D0T" at 40.694,92.464 h0.79 r270; tFinish "Alt 1 Padstyle: OX60Y90D30P" at 36.376,92.464 h0.79 r270; tFinish "Alt 2 Padstyle: A2_Pad" at 34.852,92.464 h0.79 r270; tFinish "0.122in/3.099mm" at 58.458,92.464 h0.4 r270; tFinish "0.015in/0.381mm" at 54.648,91.105 h0.4 r270; tFinish "0.026in/0.65mm" at 51.275,87.904 h0.4 r270; tFinish "0.122in/3.099mm" at 50.625,97.023 h0.4 r270; tFinish "0.122in/3.099mm" at 46.028,92.464 h0.4 r270
U36: tFinish "0.201in/5.105mm" at 27.525,90.951 h0.4 r180; tFinish "0.201in/5.105mm" at 21.187,84.763 h0.4 r180; tFinish "0.185in/4.7mm" at 35.133,84.763 h0.4 r180; tFinish "0.185in/4.7mm" at 27.525,77.306 h0.4 r180; tFinish "0.02in/0.5mm" at 33.228,83.263 h0.4 r180; tFinish "Alt 2 Padstyle: OX90Y60D30P" at 27.525,98.444 h0.79 r180; tFinish "Alt 1 Padstyle: OX60Y90D30P" at 27.525,96.92 h0.79 r180; tFinish "Heat Tab Padstyle: RX136Y136D0T" at 27.525,93.872 h0.79 r180; tFinish "Default Padstyle: RX12Y24D0T" at 27.525,92.348 h0.79 r180; Dimension "*" at 25.734,82.763 h0.79 r180; Bottom Overlay "*" at 24.235,82.382 h0.79 r180
U37: tFinish "0.122in/3.099mm" at 23.258,82.463 h0.4 r270; tFinish "0.015in/0.381mm" at 19.448,81.104 h0.4 r270; tFinish "0.026in/0.65mm" at 16.075,77.904 h0.4 r270; tFinish "0.122in/3.099mm" at 15.425,87.022 h0.4 r270; tFinish "0.122in/3.099mm" at 10.828,82.463 h0.4 r270
U38: tFinish "Default Padstyle: RX15Y10D0T" at 36.494,92.963 h0.79 r270; tFinish "Heat Tab Padstyle: RX34Y51D0T" at 34.97,92.963 h0.79 r270; tFinish "Alt 1 Padstyle: OX60Y90D30P" at 31.922,92.963 h0.79 r270; tFinish "Alt 2 Padstyle: OX90Y60D30P" at 30.398,92.963 h0.79 r270; tFinish "0.079in/2mm" at 53.233,92.963 h0.4 r270; tFinish "0.019in/0.483mm" at 49.423,92.205 h0.4 r270; tFinish "0.02in/0.5mm" at 46.125,89.157 h0.4 r270; tFinish "0.079in/2.007mm" at 45.625,96.77 h0.4 r270; tFinish "0.079in/2.007mm" at 41.574,92.963 h0.4 r270
U39: tFinish "Default Padstyle: RX15Y10D0T" at 11.294,82.464 h0.79 r270; tFinish "0.079in/2mm" at 28.033,82.464 h0.4 r270; tFinish "0.019in/0.483mm" at 24.223,81.705 h0.4 r270; tFinish "0.02in/0.5mm" at 20.925,78.657 h0.4 r270; tFinish "0.079in/2.007mm" at 20.425,86.27 h0.4 r270; tFinish "0.079in/2.007mm" at 16.374,82.464 h0.4 r270
U40: tFinish "Default Padstyle: RX27Y16D0T" at 40.948,96.963 h0.79 r270; tFinish "Heat Tab Padstyle: RX22Y96D0T" at 42.218,96.963 h0.79 r270; tFinish "Heat Tab Padstyle 2: RX22Y96D0T" at 40.694,96.963 h0.79 r270; tFinish "Alt 1 Padstyle: OX60Y90D30P" at 36.376,96.963 h0.79 r270; tFinish "Alt 2 Padstyle: A2_Pad" at 34.852,96.963 h0.79 r270; tFinish "0.122in/3.099mm" at 58.458,96.963 h0.4 r270; tFinish "0.015in/0.381mm" at 54.648,95.605 h0.4 r270; tFinish "0.026in/0.65mm" at 51.275,92.404 h0.4 r270; tFinish "0.122in/3.099mm" at 50.625,101.523 h0.4 r270; tFinish "0.122in/3.099mm" at 46.028,96.963 h0.4 r270
U41: tFinish "0.122in/3.099mm" at 23.258,77.964 h0.4 r270; tFinish "0.015in/0.381mm" at 19.448,76.605 h0.4 r270; tFinish "0.026in/0.65mm" at 16.075,73.405 h0.4 r270; tFinish "0.122in/3.099mm" at 15.425,82.523 h0.4 r270; tFinish "0.122in/3.099mm" at 10.828,77.964 h0.4 r270
U42: tFinish "Default Padstyle: RX15Y10D0T" at 36.494,97.463 h0.79 r270; tFinish "Heat Tab Padstyle: RX34Y51D0T" at 34.97,97.463 h0.79 r270; tFinish "Alt 1 Padstyle: OX60Y90D30P" at 31.922,97.463 h0.79 r270; tFinish "Alt 2 Padstyle: OX90Y60D30P" at 30.398,97.463 h0.79 r270; tFinish "0.079in/2mm" at 53.233,97.463 h0.4 r270; tFinish "0.019in/0.483mm" at 49.423,96.705 h0.4 r270; tFinish "0.02in/0.5mm" at 46.125,93.657 h0.4 r270; tFinish "0.079in/2.007mm" at 45.625,101.27 h0.4 r270; tFinish "0.079in/2.007mm" at 41.574,97.463 h0.4 r270
U43: tFinish "Default Padstyle: RX15Y10D0T" at 11.294,77.963 h0.79 r270; tFinish "0.079in/2mm" at 28.033,77.963 h0.4 r270; tFinish "0.019in/0.483mm" at 24.223,77.205 h0.4 r270; tFinish "0.02in/0.5mm" at 20.925,74.157 h0.4 r270; tFinish "0.079in/2.007mm" at 20.425,81.77 h0.4 r270; tFinish "0.079in/2.007mm" at 16.374,77.963 h0.4 r270
U44: tFinish "Default Padstyle: RX27Y16D0T" at 40.948,101.464 h0.79 r270; tFinish "Heat Tab Padstyle: RX22Y96D0T" at 42.218,101.464 h0.79 r270; tFinish "Heat Tab Padstyle 2: RX22Y96D0T" at 40.694,101.464 h0.79 r270; tFinish "Alt 1 Padstyle: OX60Y90D30P" at 36.376,101.464 h0.79 r270; tFinish "Alt 2 Padstyle: A2_Pad" at 34.852,101.464 h0.79 r270; tFinish "0.122in/3.099mm" at 58.458,101.463 h0.4 r270; tFinish "0.015in/0.381mm" at 54.648,100.105 h0.4 r270; tFinish "0.026in/0.65mm" at 51.275,96.904 h0.4 r270; tFinish "0.122in/3.099mm" at 50.625,106.023 h0.4 r270; tFinish "0.122in/3.099mm" at 46.028,101.463 h0.4 r270
U45: tFinish "0.122in/3.099mm" at 23.258,73.463 h0.4 r270; tFinish "0.015in/0.381mm" at 19.448,72.104 h0.4 r270; tFinish "0.026in/0.65mm" at 16.075,68.904 h0.4 r270; tFinish "0.122in/3.099mm" at 15.425,78.022 h0.4 r270; tFinish "0.122in/3.099mm" at 10.828,73.463 h0.4 r270
U46: tFinish "Default Padstyle: RX15Y10D0T" at 36.494,101.963 h0.79 r270; tFinish "Heat Tab Padstyle: RX34Y51D0T" at 34.97,101.963 h0.79 r270; tFinish "Alt 1 Padstyle: OX60Y90D30P" at 31.922,101.963 h0.79 r270; tFinish "Alt 2 Padstyle: OX90Y60D30P" at 30.398,101.963 h0.79 r270; tFinish "0.079in/2mm" at 53.233,101.963 h0.4 r270; tFinish "0.019in/0.483mm" at 49.423,101.205 h0.4 r270; tFinish "0.02in/0.5mm" at 46.125,98.157 h0.4 r270; tFinish "0.079in/2.007mm" at 45.625,105.77 h0.4 r270; tFinish "0.079in/2.007mm" at 41.574,101.963 h0.4 r270
U47: tFinish "Default Padstyle: RX15Y10D0T" at 11.294,73.464 h0.79 r270; tFinish "0.079in/2mm" at 28.033,73.463 h0.4 r270; tFinish "0.019in/0.483mm" at 24.223,72.705 h0.4 r270; tFinish "0.02in/0.5mm" at 20.925,69.657 h0.4 r270; tFinish "0.079in/2.007mm" at 20.425,77.27 h0.4 r270; tFinish "0.079in/2.007mm" at 16.374,73.463 h0.4 r270